# Altium PCB BitFury.PcbDoc (part 2 of 4) (continued)
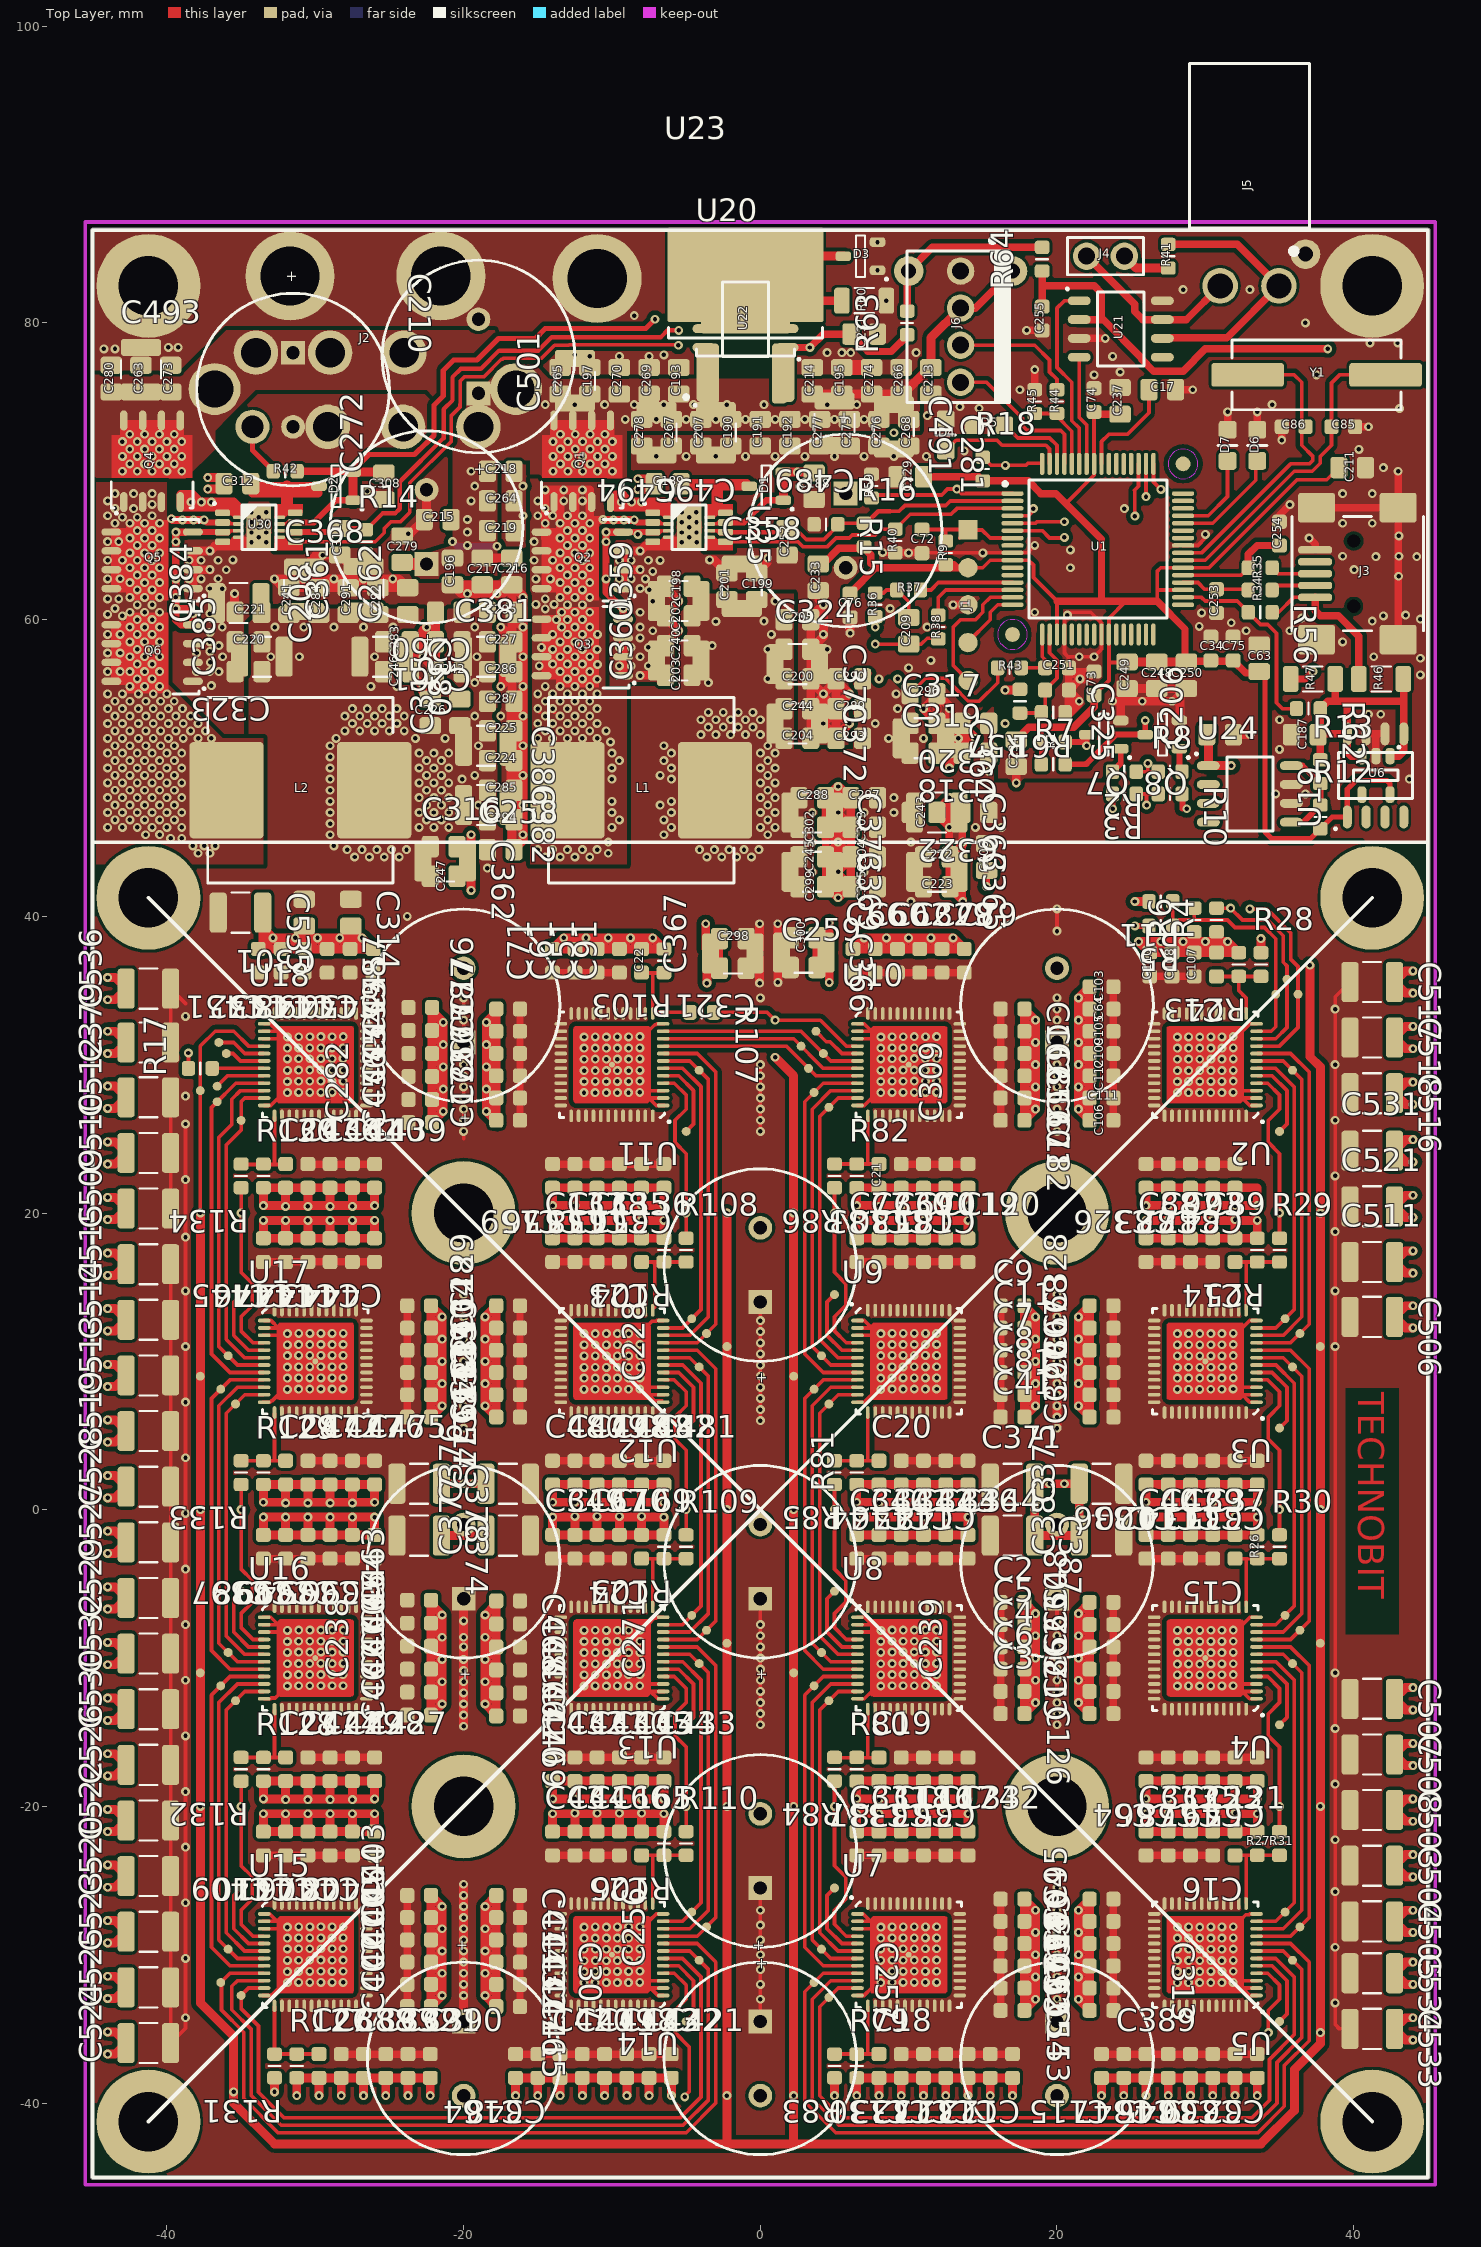
[diagram p0: Top Layer view]
## Nets (pads, with @x,y where several pads share a name; then routed paths per layer and width w, separated by ;. In a path a pad name is that pad's centre, name@x,y a point inside that pad or via, vN(x,y) a via of type N, cw(c..) or ccw(c..) an arc to the next point about the centre after c; other vN are vias at no path point) (continued)
  Top Layer w0.6: C307.1@-20,-34.25 v1(-20,-25.25) ; v1(-20,-14.6) v1(-20,-13.85) v1(-20,-10.85) C238.1@-20,-5.6 ; v1(-0.05,35.5) -0.05,37.2 C367.1@-0.35,37.5 -0.05,37.8 v1(-0.05,39.5) ; v1(1.175,39.5) 1.175,37.8 C366.1@1.425,37.55 1.19,37.315 v1(1.19,35.55) ; C313.1@20,-34.5 v1(20,-32.25) v1(20,-30.75) v1(20,-29.25) v1(20,-27.75) v1(20,-26.25) v1(20,-25.5) ; v1(20,5.5) v1(20,7.75) v1(20,10.75) v1(20,14.5)
  Mid-Top Layer w0.6: C307.1@-20,-34.5 v1(-20,-32.75) v1(-20,-32) v1(-20,-31.25) v1(-20,-30.5) v1(-20,-29.75) v1(-20,-29) v1(-20,-28.25) v1(-20,-27.5) v1(-20,-26.75) v1(-20,-26) v1(-20,-25.25) ; v1(-20,-14.6) v1(-20,-13.85) v1(-20,-10.85) C238.1@-20,-6 ; v1(-20,5.5) v1(-20,6.25) v1(-20,7) v1(-20,7.75) v1(-20,8.5) v1(-20,9.25) v1(-20,10) v1(-20,10.75) v1(-20,11.5) v1(-20,12.25) v1(-20,13) v1(-20,13.75) v1(-20,14.5) ; v1(-20,25.5) v1(-20,26.25) v1(-20,27) v1(-20,27.75) v1(-20,28.5) v1(-20,29.25) v1(-20,30) C282.1@-20,31.5 v1(-20,33) v1(-20,33.75) v1(-20,34.5) ; C257.1@0,-34.5 v1(0,-33) v1(0,-32) v1(0,-31) v1(0,-30) v1(0,-29) v1(0,-28) v1(0,-27) C256.1@0,-25.5 ; v1(0,-14.5) v1(0,-13.75) v1(0,-13) v1(0,-12.25) v1(0,-11.5) v1(0,-10.75) v1(0,-10) v1(0,-9.25) v1(0,-8.5) v1(0,-7.75) C271.1@0,-6 ; v1(0,6) v1(0,6.75) v1(0,7.5) v1(0,8.25) v1(0,9) v1(0,9.75) v1(0,10.5) v1(0,11.25) v1(0,12) v1(0,12.75) C228.1@0,14 ; v1(0,25.5) v1(0,26.25) v1(0,27) v1(0,27.75) v1(0,28.5) v1(0,29.25) v1(0,30) ; C313.1@20,-34.5 v1(20,-32.25) v1(20,-30.75) v1(20,-29.25) v1(20,-27.75) v1(20,-26.25) v1(20,-25.5) ; v1(20,-14.5) v1(20,-13) v1(20,-12.3) v1(20,-11.5) v1(20,-10) v1(20,-9.25) v1(20,-8.5) C239.1@20,-6 ; v1(20,5.5) v1(20,6.25) v1(20,7) v1(20,8.5) v1(20,9.25) v1(20,10) v1(20,11.5) v1(20,12.25) v1(20,13) v1(20,13.75) v1(20,14.5) ; v1(20,25.5) v1(20,26.25) v1(20,27) v1(20,27.75) v1(20,28.5) v1(20,29.25) v1(20,30) C309.1@20,31.5 v1(20,33) v1(20,33.75) v1(20,34.5)
  Mid-Bottom Layer w0.25: -3,48.5 -7.5,48.5 -7.75,48.75 -7.75,54.85 -5.875,56.725 6.125,56.725 v1(7.75,58.35)
  other v1: -38.75,-34.25 38.75,-33.25 20,-33 20,-31.5 -38.75,-30.25 20,-30 38.75,-29.5 -38.75,-26.5 38.75,-25.75 -38.75,-22.75 38.75,-22.25 -38.75,-19 38.75,-18.5 -38.75,-15.25 38.75,-14.75 20,-13.75 -20,-13.1 -20,-12.35 -20,-11.6 -38.75,-11.5 38.75,-11 20,-10.75 -20,-10.1 -38.75,-7.75 20,-7.5 -38.75,-4 -38.75,-0.25 -38.75,3.5 -38.75,7.25 -38.75,11 38.75,11 -38.75,14.75 38.75,14.75 -38.75,18.375 38.75,18.75 -38.75,22.25 38.75,22.5 38.75,26.25 -38.75,27.881 38.75,30 -38.75,33.25 38.75,33.75 0,34.5 -23.8,40 10.15,41 3.5,43 7,43 -18.4,43.25 -27.35,44 -26.35,44 -25.35,44 -24.35,44 -3.6,44 -2.6,44 -1.6,44 -0.6,44 -27.85,44.5 -26.85,44.5 -25.85,44.5 -24.85,44.5 -23.85,44.5 -4.1,44.5 -3.1,44.5 -2.1,44.5 -1.1,44.5 -0.1,44.5 -28.75,44.75 3.5,45 7,45 10.15,45 -29,45.5 -6.5,45.5 0.5,45.5 -23,46 -22,46 -21,46 -6,46 0,46 1,46 14.5,46 16.25,46 -29,46.25 -22.5,46.5 -21.5,46.5 -6.5,46.5 0.5,46.5 -29,47 -23,47 -22,47 -21,47 -6,47 0,47 1,47 3.5,47 7,47 9,47 -22.5,47.5 -21.5,47.5 -19,47.5 -6.75,47.5 0.5,47.5 -29,47.75 -6,47.75 -23,48 -22,48 -21,48 0,48 1,48 9,48 -29,48.5 -22.5,48.5 -21.5,48.5 0.5,48.5 -23,49 -22,49 -21,49 0,49 1,49 -29,49.25 -20.1,49.25 -6,49.25 -22.5,49.5 -21.5,49.5 -19.25,49.5 -6.75,49.5 0.5,49.5 15.4,49.75 -29,50 -23,50 -22,50 -21,50 -6,50 0,50 1,50 -22.5,50.5 -21.5,50.5 -6.5,50.5 0.5,50.5 -29,50.75 -23,51 -22,51 -21,51 -6,51 0,51 1,51 -29,51.5 -19,51.5 -6.5,51.5 0.5,51.5 -28.6,52 -23.25,52 -21.25,52 8.65,52 11,52 -4,52.25 -3,52.25 -2,52.25 -1,52.25 0,52.25 -28,52.5 -27,52.5 -26,52.5 -25,52.5 -24,52.5 -3.5,52.75 -2.5,52.75 -1.5,52.75 -0.5,52.75 -27.5,53 -26.5,53 -25.5,53 -24.5,53 7.75,53 16.5,53 -4,53.25 -3,53.25 -2,53.25 -1,53.25 0,53.25 -28,53.5 -27,53.5 -26,53.5 -25,53.5 -24,53.5 -19.25,53.5 -3.5,53.75 -2.5,53.75 -1.5,53.75 -0.5,53.75 -27.5,54 -26.5,54 -25.5,54 -24.5,54 9.25,54 9.15,55 -26.25,55.5 -24.5,55.5 -19.25,55.75 -3.5,55.75 0.5,56 9.25,56 -19.108,57.495 -33,57.5 -31.075,57.5 -26,57.5 0.5,58 -3.25,58.25 0.75,59 -32.725,59.5 -30.775,59.5 -28.75,59.5 -26.75,59.5 -24.75,59.5 -19.25,59.5 -3,59.873 0.25,59.9 1,61.25
0.8VR1: C13.2 R24.2 R28.1 U2.13 | length 5.6
  Top Layer w0.25: C13.2@30.75,35.95 R24.2@32.25,35.95 ; U2.13@32.75,33.525 32.75,34.5 32.25,35 R24.2@32.25,35.95 ; R28.1@33.75,35.95 R24.2@32.25,35.95
0.8VR2: C14.2 R25.2 R29.1 U3.13 | length 6.2
  Top Layer w0.25: C14.2@32,16.7 32.75,16.7 ; U3.13@32.75,13.525 32.75,16.7 ; R29.1@35,16.7 R25.2@33.5,16.7 32.75,16.7
0.8VR3: C15.2 R26.2 R30.1 U4.13 | length 6.2
  Top Layer w0.25: C15.2@32,-3.3 32.75,-3.3 ; U4.13@32.75,-6.475 32.75,-3.3 ; R30.1@35,-3.3 R26.2@33.5,-3.3 32.75,-3.3
0.8VR4: C16.2 R27.2 R31.1 U5.13 | length 6.2
  Top Layer w0.25: C16.2@32,-23.3 32.75,-23.3 ; U5.13@32.75,-26.475 32.75,-23.3 ; R31.1@35,-23.3 R27.2@33.5,-23.3 32.75,-23.3
0.8VR5: C18.2 R79.2 R83.1 U7.13 | length 6.2
  Top Layer w0.25: R83.1@5,-36.7 R79.2@6.5,-36.7 7.25,-36.7 ; U7.13@7.25,-33.525 7.25,-36.7 ; C18.2@8,-36.7 7.25,-36.7
0.8VR6: C19.2 R80.2 R84.1 U8.13 | length 6.2
  Top Layer w0.25: R84.1@5,-16.725 6.5,-16.725 7.25,-16.725 ; U8.13@7.25,-13.55 7.25,-16.725 ; C19.2@8,-16.725 7.25,-16.725
0.8VR7: C20.2 R81.2 R85.1 U9.13 | length 6.2
  Top Layer w0.25: R85.1@5,3.3 R81.2@6.5,3.3 7.25,3.3 ; U9.13@7.25,6.475 7.25,3.3 ; C20.2@8,3.3 7.25,3.3
0.8VR8: C21.2 R82.2 R86.1 U10.13 | length 6.2
  Top Layer w0.25: R86.1@5,23.3 R82.2@6.5,23.3 7.25,23.3 ; U10.13@7.25,26.475 7.25,23.3 ; C21.2@8,23.3 7.25,23.3
0.8VR9: C22.2 R103.2 R107.1 U11.13 | length 6.6
  Top Layer w0.25: C22.2@-8,36.175 -7.25,36.175 ; R103.2@-6.5,36.175 -7.25,36.175 ; R107.1@-4.75,33.525 -7.25,33.525 -7.25,36.175
0.8VR10: C23.2 R104.2 R108.1 U12.13 | length 6.3
  Top Layer w0.25: C23.2@-8,16.7 -7.25,16.7 ; U12.13@-7.25,13.525 -7.125,13.65 -7.125,16.575 -7.25,16.7 ; R108.1@-5,16.7 R104.2@-6.5,16.7 -7.25,16.7
0.8VR11: C24.2 R105.2 R109.1 U13.13 | length 6.2
  Top Layer w0.25: C24.2@-8,-3.3 -7.25,-3.3 ; U13.13@-7.25,-6.475 -7.25,-3.3 ; R109.1@-5,-3.3 R105.2@-6.5,-3.3 -7.25,-3.3
0.8VR12: C25.2 R106.2 R110.1 U14.13 | length 6.2
  Top Layer w0.25: C25.2@-8,-23.3 -7.25,-23.3 ; U14.13@-7.25,-26.475 -7.25,-23.3 ; R110.1@-5,-23.3 R106.2@-6.5,-23.3 -7.25,-23.3
0.8VR13: C26.2 R127.2 R131.1 U15.13 | length 6.2
  Top Layer w0.25: U15.13@-32.75,-33.525 R131.1@-32.75,-36.7 -32,-36.7 R127.2@-31.25,-36.7 C26.2@-29.75,-36.7
0.8VR14: C27.2 R128.2 R132.1 U16.13 | length 6.2
  Top Layer w0.25: R132.1@-35,-16.7 R128.2@-33.5,-16.7 -32.75,-16.7 ; U16.13@-32.75,-13.525 -32.75,-16.7 ; C27.2@-32,-16.7 -32.75,-16.7
0.8VR15: C28.2 R129.2 R133.1 U17.13 | length 6.2
  Top Layer w0.25: R133.1@-35,3.3 R129.2@-33.5,3.3 -32.75,3.3 ; U17.13@-32.75,6.475 -32.75,3.3 ; C28.2@-32,3.3 -32.75,3.3
0.8VR16: C29.2 R130.2 R134.1 U18.13 | length 6.2
  Top Layer w0.25: R134.1@-35,23.275 -33.5,23.275 -32.75,23.275 ; U18.13@-32.75,26.45 -32.75,23.275 ; C29.2@-32,23.275 -32.75,23.275
1.8V: C206.2 pad.0@2.25,9 pad.0@2.25,-11 pad.0@37.75,11 pad.0@37.75,-9 pad.0@-2.25,11 pad.0@-2.25,-9 pad.0@-37.75,9 pad.0@-37.75,28.25 pad.0@-37.75,-11 R28.2 R29.2 R30.2 R31.2 R83.2 R84.2 R85.2 R86.2 R107.2 R108.2 R109.2 R110.2 R131.2 R132.2 R133.2 R134.2 U2.4 U3.4 U4.4 U5.4 U7.4 U8.4 U9.4 U10.4 U11.4 U12.4 U13.4 U14.4 U15.4 U16.4 U17.4 U18.4 U24.1 | length 607.8
  Top Layer w0.25: v1(-37.75,20) pad.0@-37.75,28.25 -37.75,31.25 -36.75,32.25 -35.5,32.25 -34.5,31.25 U18.4@-33.525,31.25 ; R132.2@-35,-18.3 v1(-35,-20) -35,-24 -34.25,-24.75 -34.25,-26.25 -35,-27 -35,-27.95 -34.2,-28.75 U15.4@-33.525,-28.75 ; R133.2@-35,1.7 v1(-35,0) -35,-4 -34.25,-4.75 -34.25,-6.25 -35,-7 -35,-7.95 -34.2,-8.75 U16.4@-33.525,-8.75 ; R134.2@-35,21.7 v1(-35,20) -35,16 -34.25,15.25 -34.25,13.75 -35,13 -35,12.05 -34.2,11.25 U17.4@-33.525,11.25 ; U14.4@-6.475,-31.25 -5.8,-31.25 -5,-32.05 -5,-33 -5.75,-33.75 -5.75,-35.25 -4.8,-36.2 -4.8,-39.239 -5.092,-39.531 v1(-5.092,-39.586) ; U13.4@-6.475,-11.25 -5.8,-11.25 -5,-12.05 -5,-13 -5.75,-13.75 -5.75,-15.25 -5,-16 v1(-5,-20) R110.2@-5,-21.7 ; U12.4@-6.475,8.75 -5.8,8.75 -5,7.95 -5,7 -5.75,6.25 -5.75,4.75 -5,4 v1(-5,0) R109.2@-5,-1.7 ; U11.4@-6.475,28.75 -5.8,28.75 -5,27.95 -5,27 -5.75,26.25 -5.75,24.75 -5,24 v1(-5,20) R108.2@-5,18.3 ; R107.2@-3.15,33.525 0.475,33.525 v1(1,33) 4.05,33 5.8,31.25 U10.4@6.475,31.25 ; R84.2@5,-18.3 v1(5,-20) 5,-24 5.75,-24.75 5.75,-26.25 5,-27 5,-27.95 5.8,-28.75 U7.4@6.475,-28.75 ; R85.2@5,1.7 v1(5,0) 5,-4 5.75,-4.75 5.75,-6.25 5,-7 5,-7.95 5.8,-8.75 U8.4@6.475,-8.75 ; R86.2@5,21.7 v1(5,20) 5,16 5.75,15.25 5.75,13.75 5,13 5,12.05 5.8,11.25 U9.4@6.475,11.25 ; U5.4@33.525,-31.25 34.2,-31.25 35,-32.05 35,-33 34.25,-33.75 v1(34.25,-35.25) ; U4.4@33.525,-11.25 34.2,-11.25 35,-12.05 35,-13 34.25,-13.75 34.25,-15.25 35,-16 v1(35,-20) R31.2@35,-21.7 ; U3.4@33.525,8.75 34.2,8.75 35,7.95 35,7 34.25,6.25 34.25,4.75 35,4 v1(35,0) R30.2@35,-1.7 ; U2.4@33.525,28.75 34.2,28.75 35,27.95 35,27 34.25,26.25 34.25,24.75 35,24 v1(35,20) R29.2@35,18.3
  Top Layer w0.6: v1(-37.75,20) pad.0@-37.75,9 v1(-37.75,0) pad.0@-37.75,-11 v1(-37.75,-20) -37.75,-33.25 -35.5,-35.5 v1(-35.5,-39.25) -35.5,-40 -32.75,-42.75 -2.25,-42.75 ; v1(-32.75,-39.25) R131.2@-32.75,-38.3 ; v1(-2.25,20) pad.0@-2.25,11 v1(-2.25,0) pad.0@-2.25,-9 v1(-2.25,-20) -2.25,-36 -2.25,-42.75 ; v1(1,30.5) 2.25,29.25 v1(2.25,20) pad.0@2.25,9 v1(2.25,0) pad.0@2.25,-11 v1(2.25,-20) v1(2.25,-39.5) 2.25,-42.75 ; v1(5,-39.5) R83.2@5,-38.3 ; C206.2@30.1,52.25 30.2,52.15 U24.1@30.2,50.155 v1(31.75,50.155) ; R28.2@33.75,37.55 v1(33.75,38.5) ; v1(37.05,36.7) 37.05,30.55 37.75,29.85 v1(37.75,20) pad.0@37.75,11 v1(37.75,0) pad.0@37.75,-9 v1(37.75,-20) v1(37.75,-35.25) 37.75,-36 36,-37.75 36,-40.5 33.75,-42.75 2.25,-42.75 ; -2.25,-42.75 2.25,-42.75
  Mid-Top Layer w0.6: v1(-37.75,-20) v1(-35,-20) ; v1(-37.75,0) v1(-35,0) ; v1(-37.75,20) v1(-35,20) ; v1(-35.5,-39.25) v1(-32.75,-39.25) ; v1(-5.092,-39.586) v1@-5.092,-39.531 ; v1@-5,-39.5 v1(-2.25,-39.5) ; v1(-5,-20) v1(-2.25,-20) ; v1(-5,0) v1(-2.25,0) ; v1(-5,20) v1(-2.25,20) ; v1(1,30.5) v1(1,33) ; v1(2.25,-39.5) v1(5,-39.5) ; v1(2.25,-20) v1(5,-20) ; v1(2.25,0) v1(5,0) ; v1(2.25,20) v1(5,20) ; v1(31.75,50.155) 33,48.905 33,48 35.25,45.75 35.25,38.5 ; v1(33.75,38.5) 35.25,38.5 ; v1(34.25,-35.25) v1(37.75,-35.25) ; v1(35,-20) v1(37.75,-20) ; v1(35,0) v1(37.75,0) ; v1(35,20) v1(37.75,20) ; v1(37.05,36.7) 35.25,38.5
3.3V: C34.1 C63.1 C73.1 C74.1 C75.1 C76.1 C211.1 C229.1 C233.1 C234.1 C237.1 C248.1 C249.1 C250.1 J1.2 R1.2 R7.1 R9.2 R12.1 R16.1 R18.1 U1.10 U1.19 U1.26 U1.35 U1.38 U1.57 U6.5 U19.1 | length 134.5
  Top Layer w0.25: J1.2@14,63.5 15,63.5 15.5,64 U1.10@17,64 18.1,64 18.413,63.687 18.413,62.837 20,61.25 U1.19@20,59 ; 20.6,67.828 22.5,69.728 U1.57@22.5,70.5 C74.1@22.5,73.925 ; C73.1@22.5,54.9 23.5,55.9 23.5,57.115 ; 24.65,61.25 23.5,60.1 U1.26@23.5,59 23.5,57.115 ; C249.1@24.725,57.15 24.69,57.115 23.5,57.115 ; 26.75,61.25 26.75,62 ; U1.35@28.5,62 26.75,62 ; C211.1@39,70.25 38.183,69.433 36.183,69.433 30.25,63.5 U1.38@28.5,63.5 27,63.5 26.75,63.25 26.75,62
  Top Layer w0.35: R7.1@18.95,50.25 R1.2@18.95,51.75 18.95,52.7 19,52.75 ; C250.1@28.725,57.15 30.275,57.15 30.316,57.191 C34.1@30.375,57.25 C34.1@30.375,57.191 ; C75.1@31.875,57.191 C75.1@31.875,57.25 ; C63.1@33.625,56.5 33.625,56.4 34.025,56 34.025,45.675 34.45,45.25 37.1,45.25 R12.1@37.75,45.9 38.55,46.7 U19.1@39.57,46.7 39.57,48.57 ; U6.5@42.45,48.2 42.45,48.95 42.25,49.15 40.15,49.15 39.75,48.75 ; 39.57,48.57 39.75,48.75 ; 39.57,48.57 39.75,48.75
  Top Layer w0.45: C76.1@6.05,61.75 C76.1@6.05,61.785
  Top Layer w0.5: C233.1@3.9,63.75 4.232,63.75 5.282,64.8 7.025,64.8 7.45,64.375 7.45,63.815 7.611,63.654 ; C76.1@6.05,61.785 7.765,63.5 R9.2@12.3,63.5 ; C229.1@11,69.627 14.723,69.627 R18.1@15,69.35 18.05,69.35 18.9,68.5 19.928,68.5 20.6,67.828 23,65.428 23,61.25 ; J1.2@14,63.5 13.25,63.5 ; C234.1@17.5,51.9 17.5,52.15 18.1,52.75 19,52.75 21.125,52.75 22.5,54.125 C73.1@22.5,54.9 ; 20,61.25 23,61.25 ; C74.1@22.5,74 22.65,73.85 C237.1@24.25,73.85 ; C63.1@33.875,56.4 33.625,56.4 32.716,56.4 31.925,57.191 31.875,57.191 30.375,57.191 30.316,57.191 28.684,57.191 28.631,57.244 28.631,59.369 26.75,61.25 24.65,61.25 23,61.25 ; R9.2@12.3,63.5 R9.2@12.5,63.7 13.05,63.7 13.25,63.5 ; R9.2@12.3,63.5 13.25,63.5
  Top Layer w0.6: C249.1@24.725,57.15 C248.1@26.725,57.15 C250.1@28.725,57.15
5.0V: C188.2 C231.1 C308.2 D1.1 D1.2 D2.1 D2.2 R42.1 R63.1 U20.3 U22.1 U23.3 U25.7 U30.7 | length 87.3
  Top Layer w0.35: D2.2@-27.505,70 -26.38,71.125 -23.303,71.125 -22.5,71.928 -22.477,71.928 -22,72.405 -22,74.45 -21.371,75.079 -21.371,76.792 -20.663,77.5 -19.108,77.5 -17.648,78.96 -15.165,78.96 -14.5,79.625 -7.725,79.625 v1(-7.1,80.25)
  Top Layer w0.4: U30.7@-31.35,66.55 -30.1,66.55 -28.6,68.05 ; U25.7@-2.35,66.55 -1.1,66.55 0.4,68.05
  Top Layer w0.45: -28.6,68.05 -27.455,68.05 D2.1@-27.45,68.045 ; C308.2@-25.434,69.945 C308.2@-25.375,69.886 ; 0.4,68.05 1.545,68.05 D1.1@1.55,68.045 ; C188.2@3.566,69.945 C188.2@3.625,69.886
  Top Layer w0.5: R42.1@-31.225,70 D2.2@-27.505,70 ; U22.1@1.8,78.345 v1(3.345,78.345) 4.25,79.25 C231.1@6.1,79.25 6.1,79.231 7.256,78.075 8.825,78.075 9.9,79.15 R63.1@9.9,79.2
  Top Layer w0.6: D2.1@-27.45,68.045 D2.2@-27.45,69.945 C308.2@-25.434,69.945 ; D1.1@1.55,68.045 D1.2@1.55,69.945 v1(2.5,69.945) C188.2@3.566,69.945
  Mid-Top Layer w0.35: v1(-7.1,80.25) 1.44,80.25 v1(3.345,78.345)
  Mid-Top Layer w0.5: v1(2.5,69.945) 3.5,69.945 4,70.445 4,71.6 5,72.6 v1(9,72.6)
  Mid-Bottom Layer w0.35: v1(3.345,78.345) 3.345,77.839 3.934,77.25 8.333,77.25 9,76.583 v1(9,72.6)
"5.0V PS": J2.4 R42.2 | length 3.6
  Top Layer w0.35: J2.4@-34.24,73 -34.24,71.415 R42.2@-32.825,70
12V: C190.1 C191.1 C192.1 C193.1 C195.1 C196.1 C197.1 C207.1 C208.1 C210.1 C213.1 C214.1 C215.1 C216.1 C217.1 C218.1 C219.1 C263.1 C264.1 C265.1 C266.1 C267.1 C268.1 C269.1 C270.1 C272.1 C273.1 C274.1 C275.1 C276.1 C277.1 C278.1 C279.1 C280.1 C281.1 C489.1 C491.1 C493.1 C494.1 C495.1 C501.1 J2.1 J6.2 pad.0@17,83.5 pad.0@-24,78 pad.0@-29,78 pad.0@-34,78 Q1.5 Q1.6 Q1.7 Q1.8 Q4.5 Q4.6 Q4.7 Q4.8 R57.1 U20.1 U22.8 U23.1 | length 90.8
  Top Layer w0.5: U22.8@-3.8,78.345 -3.29,77.835 U20.1@-3.29,76 ; J6.2@13.5,81 14.5,81 pad.0@17,83.5
  Top Layer w0.6: C217.1@-18.75,64.15 C216.1@-16.75,64.15 ; C214.1@3.5,75.2 C195.1@5.5,75.2 C274.1@7.5,75.2 C266.1@9.5,75.2 9.6,75.2 11.5,77.1 11.5,79 J6.2@13.5,81 ; v1(16.5,55.25) 17.45,55.25 R57.1@17.5,55.3
  Top Layer w0.8: C279.1@-24.35,64 -24.1,63.75 C208.1@-22.5,63.75
  Mid-Top Layer w0.5: v1(-9.105,73.5) v1(7,73.5)
  Mid-Top Layer w0.6: J2.1@-16.46,75.54 J2.1@-16.12,75.2
  Mid-Top Layer w1.8: J2.1@-19,73 C272.1@-19,75.25 -16.75,75.25 J2.1@-16.46,75.54
  Mid-Top Layer w2: J2.1@-36.78,75.54 -34.32,78 pad.0@-34,78 C210.1@-31.5,78 pad.0@-29,78 ; J2.1@-19,73 J2.1@-16.46,75.54
  Mid-Bottom Layer w0.3: C281.1@5.75,68.5 5.75,66 v1(16.5,55.25)
  Mid-Bottom Layer w0.5: v1(5,73.5) v1(7,73.5)
  Mid-Bottom Layer w0.8: C208.1@-22.5,63.75 -18.9,63.75 ; C281.1@5.75,68.5 5.75,70.25 6,70.5 6,73.25
  Bottom Layer w0.5: v1(-20.75,65.258) -20.442,64.95 v1(-17.75,64.95)
  other v1: -19.75,65 -19.75,65.905 -19.75,66.75 -19.5,68 -19.25,69 -43.005,70 -42.005,70 -41.005,70 -40.005,70 -39.005,70 -19.5,70 -13.975,70 -12.975,70 -11.975,70 -10.975,70 -9.975,70 -42.505,70.5 -41.505,70.5 -40.505,70.5 -39.505,70.5 -13.475,70.5 -12.475,70.5 -11.475,70.5 -10.475,70.5 -43.005,71 -42.005,71 -41.005,71 -40.005,71 -39.005,71 -13.975,71 -12.975,71 -12,71 -10.975,71 -9.975,71 -42.505,71.5 -41.505,71.5 -40.505,71.5 -39.505,71.5 -13.475,71.5 -12.475,71.5 -11.475,71.5 -10.475,71.5 -43.005,72 -42.005,72 -41.005,72 -40.005,72 -39.005,72 -13.975,72 -12.975,72 -11.975,72 -10.975,72 -9.975,72 -42.505,72.5 -41.505,72.5 -40.505,72.5 -39.505,72.5 -13.475,72.5 -12.475,72.5 -11.475,72.5 -10.475,72.5 -7,73.5 -5,73.5 -3,73.5 -1,73.5 1,73.5 3,73.5 -14.5,74.5 -12.5,74.5 -10.5,74.5 -8.5,74.5 -6.5,74.5 -4.5,74.5 -2.25,74.5 0.25,74.5 4.5,74.5 6.5,74.5
BOOT3: C312.1 D2.3 U30.8 | length 10.7
  Top Layer w0.6: C312.1@-34.35,69.17 -34.175,68.995 -31.9,68.995 D2.3@-29.75,68.995 ; C312.1@-34.25,68.545 -29.825,68.545
  Top Layer w0.8: -31.9,67.425 -31.9,68.995
BOOT4: C189.1 D1.3 U25.8 | length 10.9
  Top Layer w0.6: C189.1@-5.35,69.17 -0.925,69.17 D1.3@-0.75,68.995 -2.9,68.995 -5.175,68.995 C189.1@-5.35,69.17
  Top Layer w0.8: -2.9,67.425 -2.9,68.995
C1RX: U1.58 U21.4 | length 7.4
  Top Layer w0.25: U21.4@21.5,77.69 21.5,73.621 22,73.121 U1.58@22,70.5
C1TX: U1.59 U21.1 | length 12.8
  Top Layer w0.25: U1.59@21.5,70.5 21.5,72.914 21,73.414 21,76 20,77 20,81 20.5,81.5 U21.1@21.5,81.5
CAN5.0V: C255.1 R47.1 R64.1 U21.2 | length 51.3
  Top Layer w0.5: C255.1@19,81.1 R64.1@19,83.5 ; 19,82.5 22.5,82.5 23,82 23,80.5 22.73,80.23 ; U21.2@21.5,80.23 22.73,80.23 ; R47.1@35.75,56 36.75,56 v1(37.25,56.5) ; v1(38.25,78.25) 30,78.25 28.5,76.75 26.504,76.75 25.714,77.54 25.714,77.627 23.111,80.23 22.73,80.23
  Mid-Bottom Layer w0.5: v1(37.25,56.5) 38.3,57.55 38.3,78.2 v1(38.25,78.25)
CANH: J4.1 J5.2 U21.7 | length 12
  Top Layer w0.5: J4.1@22,84.5 25.23,81.27 25.23,80.77 25.77,80.23 U21.7@27.1,80.23 28.73,80.23 J5.2@31,82.5
CANL: J5.1 R41.2 U21.6 | length 17.9
  Top Layer w0.5: U21.6@27.1,78.96 27.14,79 31.46,79 J5.1@34.96,82.5 32.16,85.3 R41.2@27.5,85.3
CLK0: pad.0@35,25.5 U2.5 | length 5.3
  Top Layer w0.25: U2.5@33.525,29.25 34.25,29.25 34.5,29.25 35.5,28.25 35.5,26 pad.0@35,25.5
CLK1: pad.0@35,5.5 U3.5 | length 5.3
  Top Layer w0.25: U3.5@33.525,9.25 34.25,9.25 34.5,9.25 35.5,8.25 35.5,6 pad.0@35,5.5
CLK2: pad.0@35,-14.5 U4.5 | length 5.3
  Top Layer w0.25: U4.5@33.525,-10.75 34.25,-10.75 34.5,-10.75 35.5,-11.75 35.5,-14 pad.0@35,-14.5
CLK3: pad.0@35,-34.5 U5.5 | length 5.3
  Top Layer w0.25: U5.5@33.525,-30.75 34.25,-30.75 34.5,-30.75 35.5,-31.75 35.5,-34 pad.0@35,-34.5
CLK4: pad.0@5,-25.5 U7.5 | length 5.3
  Top Layer w0.25: pad.0@5,-25.5 4.5,-26 4.5,-28.25 5.5,-29.25 5.75,-29.25 U7.5@6.475,-29.25
CLK5: pad.0@5,-5.5 U8.5 | length 5.3
  Top Layer w0.25: pad.0@5,-5.5 4.5,-6 4.5,-8.25 5.5,-9.25 5.75,-9.25 U8.5@6.475,-9.25
CLK6: pad.0@5,14.5 U9.5 | length 5.3
  Top Layer w0.25: pad.0@5,14.5 4.5,14 4.5,11.75 5.5,10.75 5.75,10.75 U9.5@6.475,10.75
CLK7: pad.0@3.75,32.25 U10.5 | length 3.3
  Top Layer w0.25: pad.0@3.75,32.25 4.45,31.55 4.7,31.55 5.5,30.75 5.75,30.75 U10.5@6.475,30.75
CLK8: pad.0@-5,25.5 U11.5 | length 5.3
  Top Layer w0.25: U11.5@-6.475,29.25 -5.75,29.25 -5.5,29.25 -4.5,28.25 -4.5,26 pad.0@-5,25.5
CLK9: pad.0@-5,5.5 U12.5 | length 5.3
  Top Layer w0.25: U12.5@-6.475,9.25 -5.75,9.25 -5.5,9.25 -4.5,8.25 -4.5,6 pad.0@-5,5.5
CLK10: pad.0@-5,-14.5 U13.5 | length 5.3
  Top Layer w0.25: U13.5@-6.475,-10.75 -5.75,-10.75 -5.5,-10.75 -4.5,-11.75 -4.5,-14 pad.0@-5,-14.5
CLK11: pad.0@-5,-34.5 U14.5 | length 5.3
  Top Layer w0.25: U14.5@-6.475,-30.75 -5.75,-30.75 -5.5,-30.75 -4.5,-31.75 -4.5,-34 pad.0@-5,-34.5
CLK12: pad.0@-35,-25.5 U15.5 | length 5.3
  Top Layer w0.25: pad.0@-35,-25.5 -35.5,-26 -35.5,-28.25 -34.5,-29.25 -34.25,-29.25 U15.5@-33.525,-29.25
CLK13: pad.0@-35,-5.5 U16.5 | length 5.3
  Top Layer w0.25: pad.0@-35,-5.5 -35.5,-6 -35.5,-8.25 -34.5,-9.25 -34.25,-9.25 U16.5@-33.525,-9.25
CLK14: pad.0@-35,14.5 U17.5 | length 5.3
  Top Layer w0.25: pad.0@-35,14.5 -35.5,14 -35.5,11.75 -34.5,10.75 -34.25,10.75 U17.5@-33.525,10.75
CLK15: pad.0@-36.5,31.5 U18.5 | length 3.3
  Top Layer w0.25: pad.0@-36.5,31.5 -35.5,31.5 -34.75,30.75 U18.5@-33.525,30.75
CONFIG_N1: U1.42
CONFIG_P1: U1.43
CSN4: R38.1 U1.14 | length 6.4
  Top Layer w0.25: R38.1@12,60.3 12,61.5 12.5,62 U1.14@16.95,62
CSP4: R37.1 U1.13 | length 6.4
  Top Layer w0.25: R37.1@10.8,62 11.5,62 12,62.5 U1.13@17,62.5
D+: C254.2 R35.2 U1.37 | length 7.9
  Top Layer w0.25: U1.37@28.5,63 32.4,63 R35.2@32.9,63.5
  Top Layer w0.5: R35.2@32.9,63.5 32.9,64.4 33.5,65 C254.2@35,65
D-: C253.2 R34.2 U1.36 | length 4.7
  Top Layer w0.25: U1.36@28.5,62.5 29.5,62.5 29.95,62.05 C253.2@30.75,62.05 ; C253.2@30.7,62 C253.2@30.75,62.05 ; R34.2@32.9,62 32.85,62.05 C253.2@30.75,62.05
FAN5.0V: pad.0@10,83.5 R63.2 R64.2 | length 12.4
  Top Layer w0.5: R63.2@9.9,80.8 9.9,83.4 pad.0@10,83.5 11.6,85.1 R64.2@19,85.1
FB: C251.1 R43.1 U1.17 | length 3.9
  Top Layer w0.25: R43.1@17.6,56.75 C251.1@19.2,56.75 19.2,57.3 19,57.5 U1.17@19,59